# Altium PCB vme64x6U_ctrlc.PcbDoc (part 13 of 16) (continued)
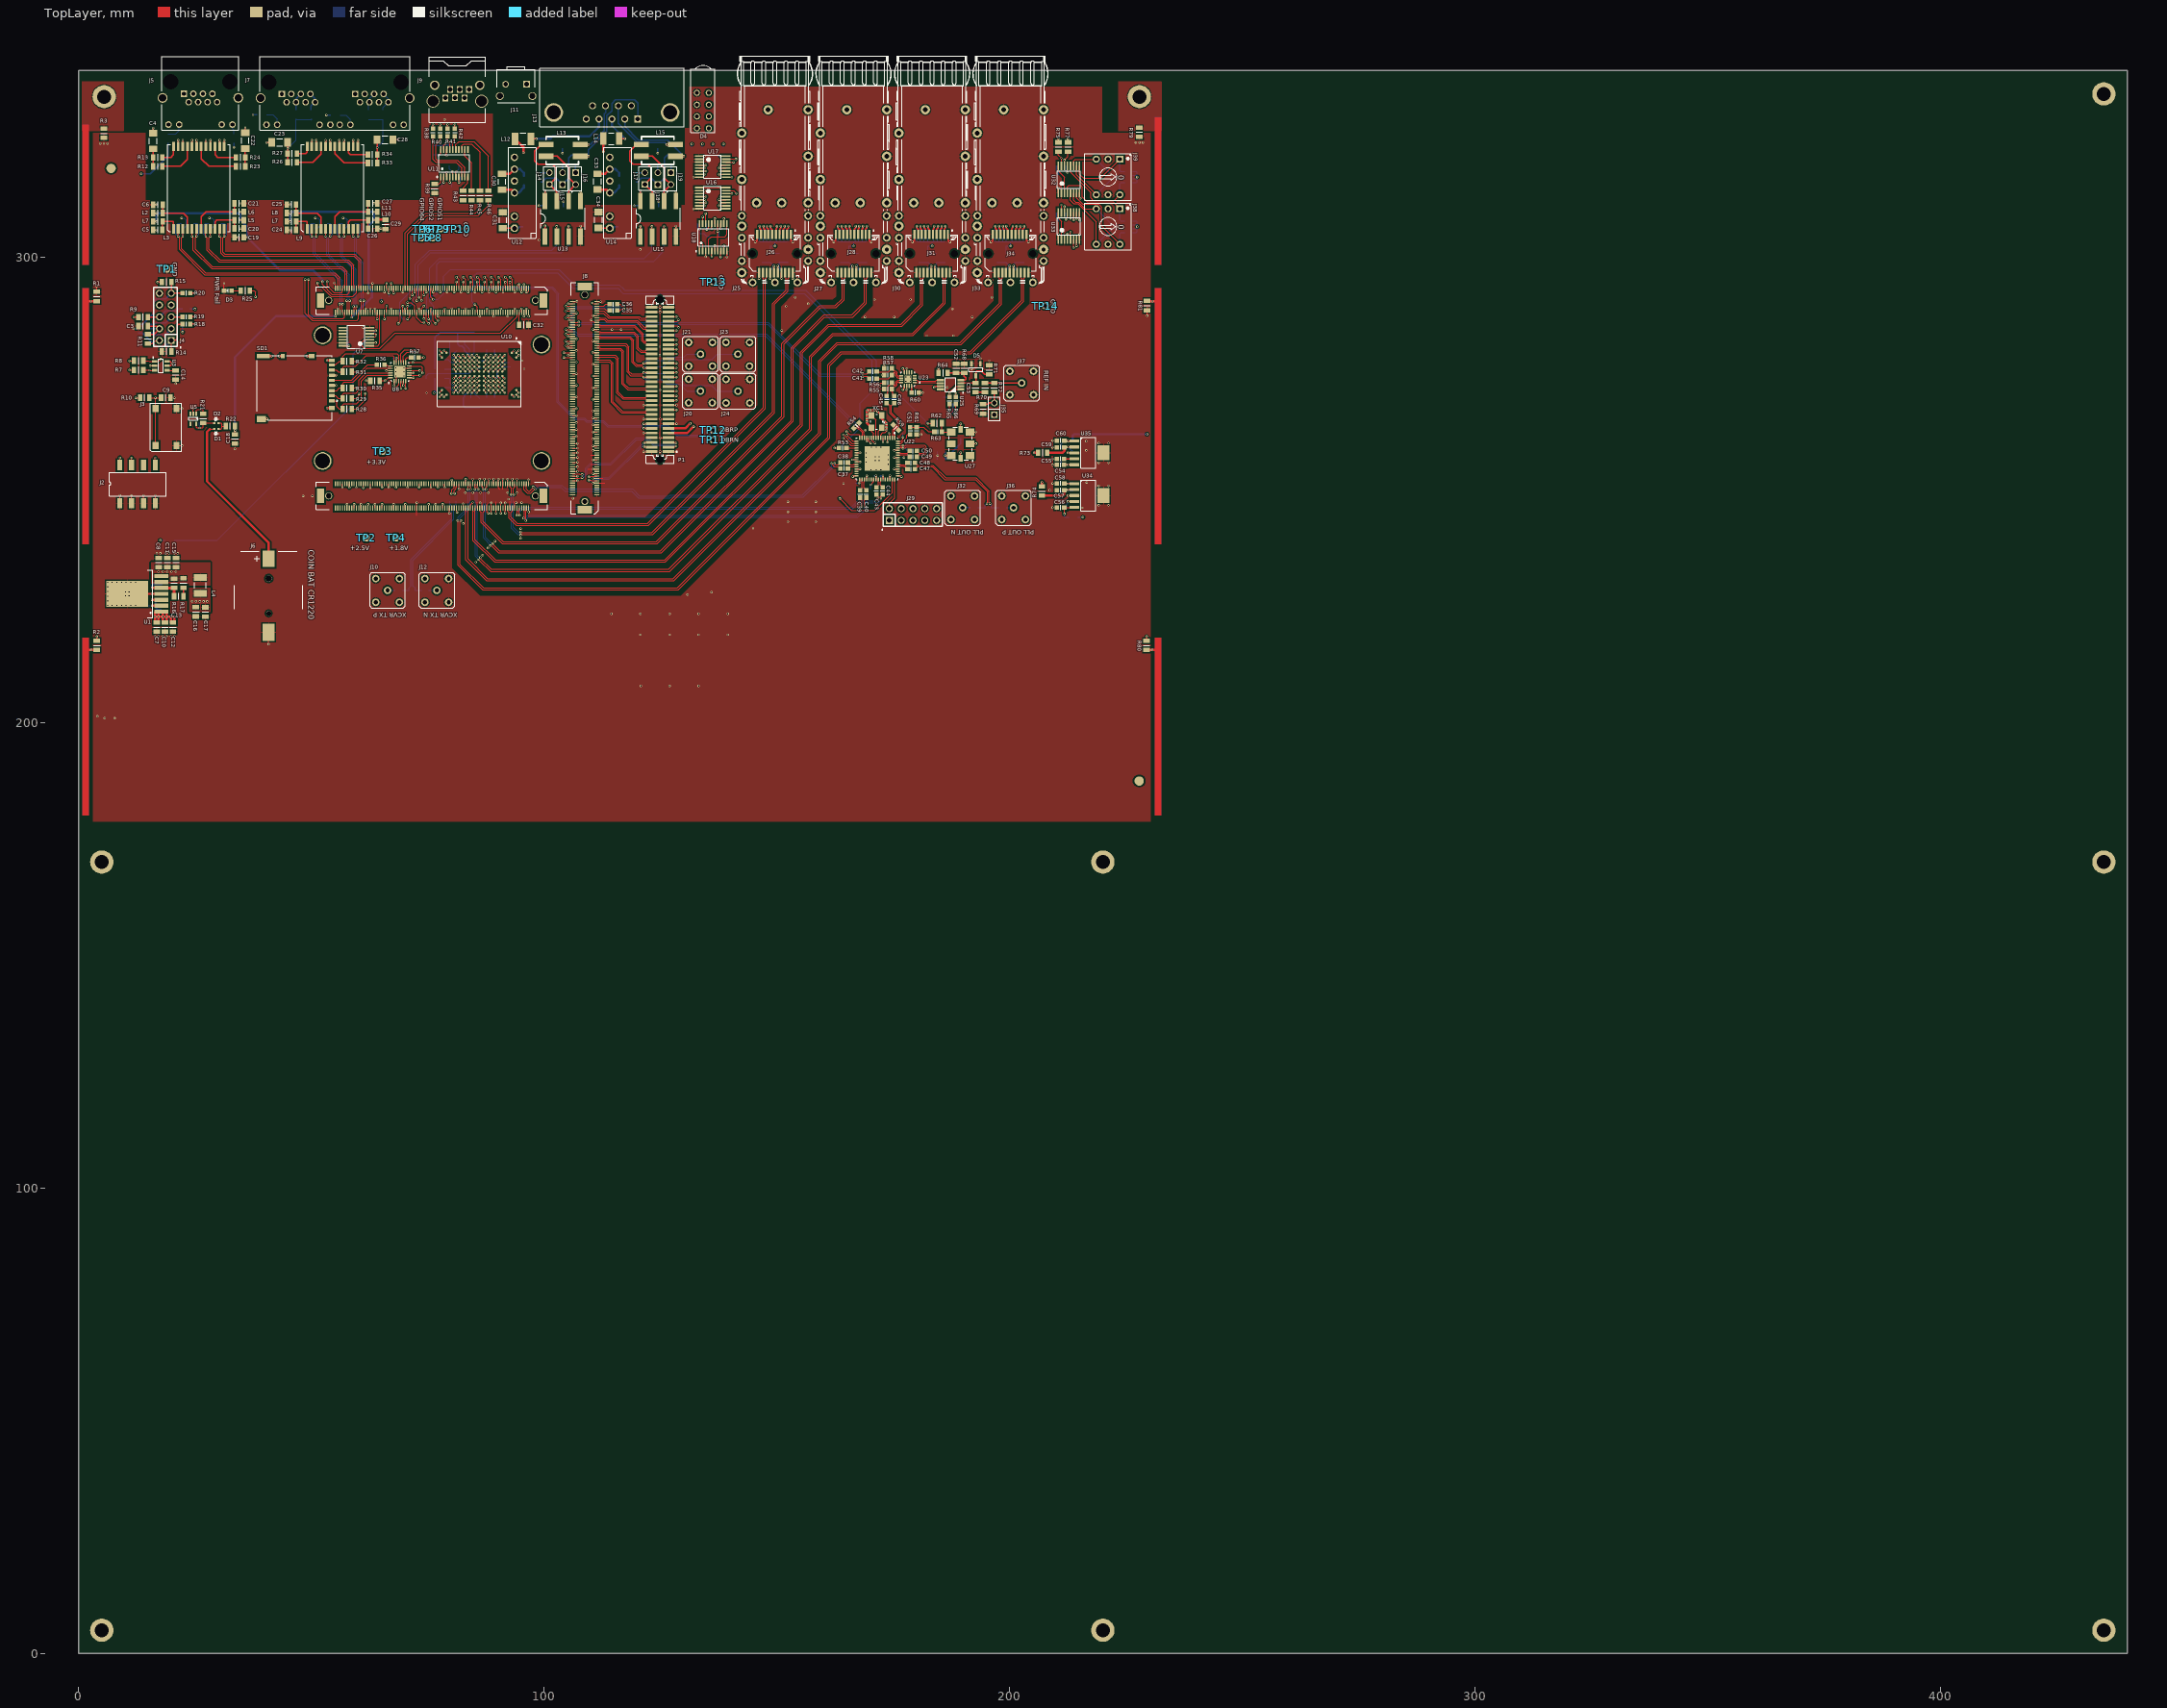
[diagram p0: TopLayer view]
## Nets (pads, with @x,y where several pads share a name; then routed paths per layer and width w, separated by ;. In a path a pad name is that pad's centre, name@x,y a point inside that pad or via, vN(x,y) a via of type N, cw(c..) or ccw(c..) an arc to the next point about the centre after c; other vN are vias at no path point) (continued)
  BottomLayer w0.5: v1(78.785,324.31) 79.01,324.085 C187.2@79.86,324.085
  other v1: 26.85,225.98 27.625,225.98 24.425,226.005 25.225,226.005 26.06,225.99
+3V3Hall: 
+3V3MOD: C199.2 J8.A26 J8.A29 J8.A50 J8.A86 J8.B55 J8.B79 J8.B115 J8.B127 J8.B152 J8.B155 J8.C96 J8.C103 J8.C136 J8.C143 TP3.1 U7.14 | length 13.7
  TopLayer w0.15: J8.B55@83.175,251.25 v1(83.175,252.25) ; J8.C96@106.125,272.4 v1(106.925,272.4) ; J8.C136@106.125,282.4 v1(106.925,282.4) ; v1(110.525,274.4) J8.C103@111.325,274.4 ; v1(110.525,284.4) J8.C143@111.325,284.4
  TopLayer w0.2: v1(58.175,250.45) J8.B155@58.175,251.25 ; J8.B152@59.175,246.05 v1(59.175,246.85) ; v1(65.175,250.45) J8.B127@65.175,251.25 ; v1(68.175,250.45) J8.B115@68.175,251.25 ; J8.A86@75.675,288.05 v1(75.675,288.85) ; v1(77.175,250.45) J8.B79@77.175,251.25 ; J8.A50@84.675,288.05 v1(84.675,288.85) ; v1(89.675,292.45) J8.A29@89.675,293.25 ; J8.A26@90.675,288.05 v1(90.675,288.85)
  TopLayer w0.25: U7.14@56.72,280.89 v1(58.09,280.89)
  BottomLayer w0.25: v1(58.09,280.89) C199.2@58.09,281.8
+5SL: 
+5V_CAN_U_can_phy1: C30.2 C171.2 C173.2 U12.6 U13.8 | length 9.5
  TopLayer w0.3: U13.8@100.175,311.975 100.2,312 v1(100.2,314.175)
  TopLayer w0.5: C30.2@90.95,317.825 92.614,317.825 U12.6@93.624,318.835
  BottomLayer w0.3: C171.2@100.2,313 v1(100.2,314.175)
  BottomLayer w0.5: U12.6@93.624,318.835 94.84,318.835 95.65,318.025 C173.2@95.65,317.4
+5V_CAN_U_can_phy2: C33.2 C166.2 C168.2 U14.6 U15.8 | length 9.5
  TopLayer w0.3: U15.8@120.65,311.975 120.675,312 v1(120.675,314.175)
  TopLayer w0.5: C33.2@111.425,317.825 113.089,317.825 U14.6@114.099,318.835
  BottomLayer w0.3: C166.2@120.675,313 v1(120.675,314.175)
  BottomLayer w0.5: U14.6@114.099,318.835 115.315,318.835 116.125,318.025 C168.2@116.125,317.4
+5VME: C7.1 C10.1 C12.2 C31.2 C34.2 C60.2 C72.2 C169.2 C174.2 C218.2 C220.2 C224.2 J8.A1 J8.A2 J8.A3 J8.A4 J8.A5 J8.A6 J8.A7 J8.A8 J8.A9 J8.A11 R95.2 U1.1 U12.1 U14.1 U35.1 | length 60.5
  TopLayer w0.2: J8.A9@94.675,293.25 v1(94.675,294.05) ; J8.A8@95.175,288.05 v1(95.175,288.85) ; v1(95.175,292.45) J8.A7@95.175,293.25 ; v1(95.675,287.25) J8.A6@95.675,288.05 ; J8.A5@95.675,293.25 v1(95.675,294.05) ; J8.A4@96.175,288.05 v1(96.175,288.85) ; v1(96.175,292.45) J8.A3@96.175,293.25 ; v1(96.675,287.25) J8.A2@96.675,288.05
  TopLayer w0.25: J8.A11@94.175,293.25 94.175,293.775 94.45,294.05 v1(94.675,294.05) ; v1(96.175,292.45) 96.525,292.45 96.675,292.6 J8.A1@96.675,293.25
  TopLayer w0.3: C31.2@91.15,306.175 93.584,306.175 U12.1@93.624,306.135 ; C34.2@111.675,306.2 114.034,306.2 U14.1@114.099,306.135 ; C60.2@211.725,260.525 212.507,260.525 v1(212.507,260.423) U35.1@213.875,260.423
  TopLayer w0.5: C7.1@16.41,221.485 v1(16.41,222.71) 16.41,223.585 U1.1@16.61,223.785 ; C7.1@17.16,221.485 v1(17.16,222.71) U1.1@17.16,223.585 ; C10.1@18.135,221.485 v1(18.135,222.71) U1.1@18.135,223.66 ; C10.1@18.885,221.485 v1(18.885,222.71) U1.1@18.885,223.685 ; C12.2@19.86,221.485 v1(19.86,222.71) ; C12.2@20.61,221.485 v1(20.61,222.71)
  BottomLayer w0.25: R95.2@211.05,258.725 211.05,259.825 211.648,260.423 v1(212.507,260.423)
  BottomLayer w0.3: U12.1@93.624,306.135 94.435,306.135 94.725,306.425 C174.2@95.45,306.425 ; U14.1@114.099,306.135 114.91,306.135 115.2,306.425 C169.2@115.925,306.425 ; v1(212.507,260.423) 212.522,260.408 C72.2@213.525,260.408
  BottomLayer w0.5: v1(16.41,222.71) 16.41,221.885 C224.2@16.81,221.485 17.16,221.835 v1(17.16,222.71) ; v1(18.135,222.71) 18.135,221.885 C220.2@18.535,221.485 18.885,221.835 v1(18.885,222.71) ; v1(19.86,222.71) 19.86,221.885 C218.2@20.26,221.485 20.61,221.835 v1(20.61,222.71) ; C72.2@213.525,260.408 213.525,261.6 213.825,261.9 v1(229.5,261.9)
+5VSTBY: C214.2 U5.4
+7_: 
+7D: 
+7DDS: 
+7H: 
+7i: 
+7int: 
+7SL: 
+7V: 
+12Hall: 
+12SL: 
+12Vin: 
+18H: 
+18Hall: 
+18i: 
+18int: 
+18SL: 
-7_: 
-7D: 
-7DDS: 
-7H: 
-7Hall: 
-7i: 
-7int: 
-7SL: 
-18H: 
-18Hall: 
-18i: 
-18int: 
-18SL: 
\CS: 
\CSdds: 
\En: 
AQ1_N: C42.1 R58.2 U23.9 | length 6.6
  TopLayer w0.15: C42.1@171.425,275.325 173.925,275.325 R58.2@174.65,276.05 174.725,275.975 174.725,275.95 175.2,275.475 175.485,275.475 175.825,275.135 175.825,274.562 176,274.387 176.088,274.387 176.175,274.475 U23.9@176.7,274.475
AQ1_P: C41.1 R57.2 U23.10 | length 6.6
  TopLayer w0.15: C41.1@171.425,273.875 173.925,273.875 R57.2@174.65,274.6 175.2,275.15 175.35,275.15 175.5,275 175.5,274.428 175.865,274.062 176.088,274.062 176.175,273.975 U23.10@176.7,273.975
BaseAddr0: J38.1 R84.4 U32.4 | length 19.5
  TopLayer w0.15: U32.4@212.4,313.705 212.4,315.05 212.65,315.3 215.25,315.3 215.6,314.95 215.6,312.85 216.622,311.828 222.157,311.828 J38.1@223.665,310.32
  BottomLayer w0.25: J38.1@223.665,310.295 223.665,307.91 223.9,307.675 R84.4@224.725,307.675
BaseAddr1: J38.2 R84.2 U32.5 | length 21.4
  TopLayer w0.15: U32.5@213.05,313.705 213.05,312.1 213.775,311.375 214.672,311.375 218.585,307.462 J38.2@218.585,302.7
  BottomLayer w0.25: J38.2@218.585,302.675 221.985,306.075 R84.2@224.725,306.075
BaseAddr2: J38.4 R84.3 U32.6 | length 14.8
  TopLayer w0.15: U32.6@213.7,313.705 213.7,312.125 214.1,311.725 214.775,311.725 216.18,310.32 J38.4@218.585,310.32
  BottomLayer w0.25: J38.4@218.585,310.295 222.005,306.875 R84.3@224.725,306.875
BaseAddr3: J38.8 R84.1 U32.7 | length 20.4
  TopLayer w0.15: U32.7@214.35,313.705 214.35,312.625 215.65,311.325 219.125,311.325 219.725,310.725 219.725,306.64 J38.8@223.665,302.7
  BottomLayer w0.25: J38.8@223.665,302.675 223.665,304.94 224,305.275 R84.1@224.725,305.275
BaseAddr4: J39.1 R85.4 U32.9 | length 16.1
  TopLayer w0.15: U32.9@215,319.545 215,317.775 215.925,316.85 219.545,316.85 J39.1@223.665,320.97
  BottomLayer w0.25: J39.1@223.665,320.97 223.665,318.585 223.9,318.35 R85.4@224.725,318.35
BaseAddr5: J39.2 R85.2 U32.10 | length 15.5
  TopLayer w0.15: U32.10@214.35,319.545 214.35,317.585 J39.2@218.585,313.35
  BottomLayer w0.25: J39.2@218.585,313.35 221.985,316.75 R85.2@224.725,316.75
BaseAddr6: J39.4 R85.3 U32.11 | length 13.6
  TopLayer w0.15: U32.11@213.7,319.545 213.7,320.6 214.07,320.97 J39.4@218.585,320.97
  BottomLayer w0.25: J39.4@218.585,320.97 222.005,317.55 R85.3@224.725,317.55
BaseAddr7: J39.8 R85.1 U32.12 | length 19.1
  TopLayer w0.15: U32.12@213.05,319.545 213.05,318.2 217.4,313.85 217.4,312.625 217.825,312.2 222.515,312.2 J39.8@223.665,313.35
  BottomLayer w0.25: J39.8@223.665,313.35 223.665,315.615 224,315.95 R85.1@224.725,315.95
BOOT_MODE0: J2.7 J8.A126 | length 73.7
  TopLayer w0.15: v1(65.675,286.675) J8.A126@65.675,288.05
  TopLayer w0.25: J2.7@11.41,255.275 v1(11.41,256.845)
  MidLayer3 w0.15: v1(11.41,256.845) 11.41,259.064 32.771,280.425 57.855,280.425 57.885,280.395 64.145,280.395 65.675,281.925 v1(65.675,286.675)
BOOT_MODE1: J2.8 J8.A112 | length 79.3
  TopLayer w0.15: v1(68.675,285.675) 69.175,286.175 J8.A112@69.175,288.05
  TopLayer w0.25: J2.8@8.87,255.275 v1(8.87,256.845)
  MidLayer3 w0.15: v1(8.87,256.845) 9.715,256 12.125,256 12.825,256.7 12.825,259.807 32.968,279.95 64.45,279.95 66.45,281.95 66.45,283.45 v1(68.675,285.675)
BUSY: 
BUSY_i2Host: 
BUSYi: 
C_REF_N: 
C_REF_P: 
C_TEST_N: 
C_TEST_P: 
CAN0_G: J13.3 L14.1 | length 6.3
  TopLayer w0.3: L14.1@116.125,325.4 v1(117.325,325.4)
  BottomLayer w0.5: J13.3@114.565,329.32 114.565,328.16 v1(117.325,325.4)
CAN0_H: J13.7 L15.1 | length 17.6
  TopLayer w0.5: v1(126.375,324.125) L15.1@128.175,324.125
  BottomLayer w0.3: J13.7@115.95,332.16 115.95,328.693 120.068,324.575 125.925,324.575 v1(126.375,324.125)
CAN0_L: J13.2 L15.4 | length 18.4
  TopLayer w0.5: L15.4@128.2,321.625 v1(130,321.625)
  BottomLayer w0.3: J13.2@117.335,329.32 117.335,328.015 120.275,325.075 126.55,325.075 v1(130,321.625)
CAN0_RX: J8.A88 R153.2 | length 64.2
  TopLayer w0.15: v1(75.175,286.675) J8.A88@75.175,288.05
  BottomLayer w0.25: v1(75.175,286.675) 75.175,287.975 74.85,288.3 74.85,291.625 75.45,292.225 75.45,297.612 77.513,299.675 121.525,299.675 123.175,301.325 R153.2@123.175,303.55
CAN0_TX: J8.A90 R148.2 | length 69.5
  TopLayer w0.15: J8.A90@74.675,288.05 74.675,286.175 v1(75.175,285.675)
  BottomLayer w0.25: v1(75.175,285.675) 75.775,286.275 75.775,287.975 76.3,288.5 76.3,289.425 75.375,290.35 75.375,291.175 75.925,291.725 76.6,291.725 76.925,292.05 76.925,298.375 77.625,299.075 123.525,299.075 125.775,301.325 R148.2@125.775,303.6
CAN1_G: J13.4 L12.1 | length 17.1
  TopLayer w0.3: L12.1@97.175,325.35 v1(98.325,325.35)
  BottomLayer w0.5: v1(98.325,325.35) 101.275,325.35 101.825,325.9 109.775,325.9 111.795,327.92 J13.4@111.795,329.32
CAN1_H: J13.8 L13.1 | length 11.8
  TopLayer w0.5: L13.1@107.725,324.125 v1(109.525,324.125)
  BottomLayer w0.3: v1(109.525,324.125) 109.9,324.125 112.95,327.175 112.95,330.725 113.18,330.955 J13.8@113.18,332.44
CAN1_L: J13.1 L13.4 | length 25.1
  TopLayer w0.5: L13.4@107.725,321.625 v1(109.525,321.625)
  BottomLayer w0.3: v1(109.525,321.625) 109.525,323.043 113.45,326.968 113.45,330.325 114.525,331.4 114.525,332.925 115.325,333.725 119.375,333.725 120.105,332.995 J13.1@120.105,329.6 J13.1@120.105,329.32
CAN1_RX: J8.A104 R157.2 | length 49.1
  TopLayer w0.15: v1(70.675,286.675) 71.175,287.175 J8.A104@71.175,288.05
  BottomLayer w0.25: v1(70.675,286.675) 69.65,286.675 69,287.325 69,290.275 72.325,293.6 72.325,298.367 75.383,301.425 101.675,301.425 102.7,302.45 R157.2@102.7,303.55
CAN1_TX: J8.A106 R156.2 | length 46.7
  TopLayer w0.15: J8.A106@70.675,288.05 v1(70.675,289.4)
  BottomLayer w0.25: v1(70.675,289.4) 71.2,289.4 71.775,289.975 71.775,290.825 72.9,291.95 72.9,298.2 75.6,300.9 103.7,300.9 105.3,302.5 R156.2@105.3,303.6
CAN_GND_U_can_phy1: C30.1 C170.1 C171.1 C173.1 L12.2 U12.4 U13.5 U39.3 | length 15.2
  TopLayer w0.3: U13.5@107.825,311.95 U13.5@107.825,311.975 v1@107.825,313.975
  TopLayer w0.5: C30.1@90.95,314.425 92.954,314.425 U12.4@93.624,313.755 ; L12.2@93.775,325.35 95.55,323.575 v1(95.55,322.375)
  BottomLayer w0.3: v1(98.9,311) C171.1@100.2,311 ; v1(103.95,322.25) C170.1@103.95,323.325 ; U39.3@104.15,310.725 v1(104.15,311.85)
  BottomLayer w0.5: U12.4@93.624,313.755 94.555,313.755 95.65,314.85 C173.1@95.65,315.4
  other v1: 107.825,314.025
CAN_GND_U_can_phy2: C33.1 C165.1 C166.1 C168.1 L14.2 U14.4 U15.5 U38.3 | length 14.3
  TopLayer w0.3: U15.5@128.3,311.95 U15.5@128.3,311.975 v1@128.3,313.975
  TopLayer w0.5: C33.1@111.425,314.425 113.429,314.425 U14.4@114.099,313.755 ; v1(112.725,322.6) L14.2@112.725,325.4
  BottomLayer w0.3: v1(119.375,311) C166.1@120.675,311 ; v1(124.425,322.25) C165.1@124.425,323.325 ; U38.3@124.625,310.725 v1(124.625,311.85)
  BottomLayer w0.5: U14.4@114.099,313.755 115.03,313.755 116.125,314.85 C168.1@116.125,315.4
  other v1: 128.3,314.025
ChasisGND: R2.2 | length 3.4
  TopLayer w0.5: 1.8,215.55 v1(2.725,215.55) R2.2@3.925,215.55
  BottomLayer w0.5: 1.475,215.55 v1(2.725,215.55)
ChasisGND_T: R80.2 | length 3.4
  TopLayer w0.5: R80.2@229.425,215.55 231.55,215.55
  BottomLayer w0.5: v1(230.6,215.55) 231.85,215.55
CLK_MODE: 
CLK_MODE_dds: 
Clock_dDCP+: 
Clock_dDCP-: 
Clock_hDCP-: 
Clock_iDCP+: 
Clock_iDCP-: 
Clock_sDCP+: 
Clock_sDCP-: 
CMP_CLK_N: U23.2 U25.5 | length 5.6
  TopLayer w0.15: U23.2@179.6,273.475 180.125,273.475 180.238,273.362 184.113,273.362 184.275,273.525 U25.5@185.1,273.525
CMP_CLK_P: U23.1 U25.6 | length 5.6
  TopLayer w0.15: U23.1@179.6,272.975 180.125,272.975 180.188,273.037 184.113,273.037 184.275,272.875 U25.6@185.1,272.875
CMP_REF: C52.1 R64.1 R68.2 U25.4 | length 6.2
  TopLayer w0.3: R64.1@186.7,275.05 C52.1@188.5,275.05 R68.2@190.225,275.05 190.225,274.375 190.6,274 190.6,273.7 190.425,273.525 U25.4@189.5,273.525
CMP_SIG: C53.1 D5.3 R71.1 U25.3 | length 8.8
  TopLayer w0.3: U25.3@189.5,272.875 192.65,272.875 C53.1@192.675,272.9 192.75,272.975 D5.3@192.75,274.475 192.75,275.225 193,275.475 193.9,275.475 194.65,274.725 R71.1@195.6,274.725
CNV: 
CNV_Host2i: 
CNVi: 
COM_CTS_DEV_O: R38.1 U11.8 | length 13.9
  TopLayer w0.25: R38.1@76.11,325.903 76.11,320.91 76.76,320.26 81.135,320.26 82.335,319.06 U11.8@82.335,317.16
COM_RTS_DEV_I: R40.1 U11.9 | length 14.3
  TopLayer w0.25: R40.1@77.685,325.903 77.685,325.06 76.73,324.105 76.73,320.993 76.993,320.73 81.393,320.73 82.985,319.138 U11.9@82.985,317.16
COM_RX_DEV_O: R41.1 U11.17 | length 3
  TopLayer w0.25: R41.1@79.26,325.903 79.26,325.11 79.735,324.635 U11.17@79.735,323.06
COM_TX_DEV_I: R42.1 U11.16 | length 3
  TopLayer w0.25: U11.16@80.385,323.06 80.385,324.61 80.835,325.06 R42.1@80.835,325.903
DCP_Clk: 
DDS_CLK_N: 
DDS_CLK_P: 
EMMC_CLK: R37.2 U10.P6 | length 14.4
  TopLayer w0.15: R37.2@73.05,278.375 v1(74.1,278.375) ; v1(80.55,273.875) U10.P6@81.05,274.375
  MidLayer3 w0.15: v1(74.1,278.375) 72.725,277 72.725,274.25 72.995,273.98 76.395,273.98 76.5,273.875 v1(80.55,273.875)
EMMC_CMD: R171.2 U8.12 U10.P5 | length 13.8
  TopLayer w0.15: U8.12@71.025,276.55 73.525,276.55 73.9,276.175 v1(73.9,275.05) ; v1(80.55,275.875) U10.P5@81.05,275.375
  MidLayer3 w0.15: v1(73.9,275.05) 76.575,275.05 77.4,275.875 v1(80.55,275.875)
  BottomLayer w0.15: R171.2@78.6,275.925 80.5,275.925 v1(80.55,275.875)
EMMC_D0: R164.2 U8.14 U10.K2 | length 21.1
  TopLayer w0.15: U8.14@69.775,277.3 69.775,278.725 70.525,279.475 v1(71.675,279.475) ; v1(84.55,278.875) U10.K2@85.05,278.375
  MidLayer3 w0.15: v1(71.675,279.475) 72.325,280.125 73.925,280.125 74.675,279.375 84.05,279.375 v1(84.55,278.875)
  BottomLayer w0.15: v1(84.55,278.875) 85.05,279.375 R164.2@85.05,281.775
EMMC_D1: R167.2 U8.15 U10.N2 | length 21.3
  TopLayer w0.15: U8.15@69.275,277.3 69.275,279.225 70.05,280 72.025,280 v1(72.5,279.525) ; v1(81.55,278.875) U10.N2@82.05,278.375
  MidLayer3 w0.15: v1(72.5,279.525) 72.9,279.125 74.275,279.125 75.025,278.375 81.05,278.375 v1(81.55,278.875)
  BottomLayer w0.15: R167.2@79.75,281.775 79.75,278.7 80.075,278.375 81.05,278.375 v1(81.55,278.875)
EMMC_D2: R166.2 U8.8 U10.K3 | length 21.2
  TopLayer w0.15: U8.8@71.025,274.55 v1(73.275,274.55) ; v1(84.55,277.875) U10.K3@85.05,277.375
  MidLayer3 w0.15: v1(73.275,274.55) 76.625,274.55 77.45,275.375 83.875,275.375 84.062,275.562 84.062,275.662 84.055,275.67 84.055,277.38 v1(84.55,277.875)
  BottomLayer w0.15: R166.2@83,281.775 83,281.175 84.045,280.13 84.045,278.38 v1(84.55,277.875)
EMMC_D3: R172.2 U8.10 U10.N3 | length 15.6
  TopLayer w0.15: U8.10@71.025,275.55 v1(73.275,275.55) ; v1(81.55,277.875) U10.N3@82.05,277.375
  MidLayer3 w0.15: v1(73.275,275.55) 76.55,275.55 78.375,277.375 81.05,277.375 v1(81.55,277.875)
  BottomLayer w0.15: R172.2@78.6,277.925 79.4,277.925 79.945,277.38 81.055,277.38 v1(81.55,277.875)
EMMC_D4: R163.2 U10.K8 | length 3.6
  TopLayer w0.15: v1(84.55,271.875) U10.K8@85.05,272.375
  BottomLayer w0.15: v1(84.55,271.875) 85.05,271.375 85.05,270.675 86.05,269.675 R163.2@86.125,269.675
EMMC_D5: R170.2 U10.N8 | length 5
  TopLayer w0.15: v1(81.55,271.875) U10.N8@82.05,272.375
  BottomLayer w0.15: R170.2@78.6,273.925 79.6,273.925 79.9,273.625 79.9,272.825 80.345,272.38 81.045,272.38 v1(81.55,271.875)
EMMC_D6: R169.2 U10.N9 | length 4.1
  TopLayer w0.15: v1(81.55,270.875) U10.N9@82.05,271.375
  BottomLayer w0.15: R169.2@78.6,271.925 79.775,271.925 80.325,271.375 81.05,271.375 v1(81.55,270.875)
EMMC_D7: R165.2 U10.K9 | length 2
  TopLayer w0.15: v1(84.55,270.875) U10.K9@85.05,271.375
  BottomLayer w0.15: R165.2@84.325,269.675 84.325,270.65 v1(84.55,270.875)
EMMC_DS: R175.2 U10.K5 | length 11.9
  TopLayer w0.15: v1(84.55,275.875) U10.K5@85.05,275.375
  BottomLayer w0.15: R175.2@74.75,273.875 74.75,274.475 75.225,274.95 83.925,274.95 84.55,275.575 v1(84.55,275.875)
EMMC_RFU1: U10.A1 | length 0.7
  TopLayer w0.15: U10.A1@94.05,279.375 v1(94.55,279.875)
EMMC_RFU2: U10.A2 | length 0.7
  TopLayer w0.15: U10.A2@94.05,278.375 v1(94.55,278.875)
EMMC_RFU3: U10.A9 | length 0.7
  TopLayer w0.15: U10.A9@94.05,271.375 v1(94.55,270.875)
EMMC_RFU4: U10.A10 | length 0.7
  TopLayer w0.15: U10.A10@94.05,270.375 v1(94.55,269.875)
EMMC_RFU5: U10.B1 | length 0.7
  TopLayer w0.15: U10.B1@93.05,279.375 v1(93.55,279.875)
EMMC_RFU6: U10.B10 | length 0.7
  TopLayer w0.15: U10.B10@93.05,270.375 v1(93.55,269.875)
EMMC_RFU7: U10.T1 | length 0.7
  TopLayer w0.15: v1(78.55,279.875) U10.T1@79.05,279.375
EMMC_RFU8: U10.T10 | length 0.7
  TopLayer w0.15: v1(78.55,269.875) U10.T10@79.05,270.375
EMMC_RFU9: U10.U1 | length 0.7
  TopLayer w0.15: v1(77.55,279.875) U10.U1@78.05,279.375
EMMC_RFU10: U10.U2 | length 0.7
  TopLayer w0.15: v1(77.55,278.875) U10.U2@78.05,278.375
EMMC_RFU11: U10.U9 | length 0.7
  TopLayer w0.15: v1(77.55,270.875) U10.U9@78.05,271.375
EMMC_RFU12: U10.U10 | length 0.7
  TopLayer w0.15: v1(77.55,269.875) U10.U10@78.05,270.375
EMMC_RFU13: U10.D2 | length 0.7
  TopLayer w0.15: U10.D2@91.05,278.375 v1(91.55,278.875)
EMMC_RFU14: U10.D3 | length 0.7
  TopLayer w0.15: U10.D3@91.05,277.375 v1(91.55,277.875)
EMMC_RFU15: U10.D4 | length 0.7
  TopLayer w0.15: U10.D4@91.05,276.375 v1(91.55,276.875)
EMMC_RFU16: U10.D5 | length 0.7
  TopLayer w0.15: U10.D5@91.05,275.375 v1(91.55,275.875)
EMMC_RFU17: U10.D6 | length 0.7
  TopLayer w0.15: U10.D6@91.05,274.375 v1(91.55,273.875)
EMMC_RFU18: U10.D7 | length 0.7
  TopLayer w0.15: U10.D7@91.05,273.375 v1(91.55,272.875)
EMMC_RFU19: U10.D8 | length 0.7
  TopLayer w0.15: U10.D8@91.05,272.375 v1(91.55,271.875)
EMMC_RFU20: U10.D9 | length 0.7
  TopLayer w0.15: U10.D9@91.05,271.375 v1(91.55,270.875)
EMMC_RFU21: U10.E2 | length 0.7
  TopLayer w0.15: U10.E2@90.05,278.375 v1(90.55,278.875)
EMMC_RFU22: U10.E3 | length 0.7
  TopLayer w0.15: U10.E3@90.05,277.375 v1(90.55,277.875)
EMMC_RFU23: U10.E5 | length 0.7
  TopLayer w0.15: U10.E5@90.05,275.375 v1(90.55,275.875)
EMMC_RFU24: U10.E6 | length 0.7
  TopLayer w0.15: U10.E6@90.05,274.375 v1(90.55,273.875)
EMMC_RFU25: U10.E7 | length 0.7
  TopLayer w0.15: U10.E7@90.05,273.375 v1(90.55,272.875)
EMMC_RFU26: U10.E8 | length 0.7
  TopLayer w0.15: U10.E8@90.05,272.375 v1(90.55,271.875)
EMMC_RFU27: U10.E9 | length 0.7
  TopLayer w0.15: U10.E9@90.05,271.375 v1(90.55,270.875)
EMMC_RFU28: U10.H5 | length 0.7
  TopLayer w0.15: U10.H5@87.05,275.375 v1(87.55,275.875)
EMMC_RFU29: U10.H6 | length 0.7
  TopLayer w0.15: U10.H6@87.05,274.375 v1(87.55,273.875)
EMMC_RFU30: U10.H7 | length 0.7
  TopLayer w0.15: U10.H7@87.05,273.375 v1(87.55,272.875)
EMMC_RFU31: U10.J2 | length 0.7
  TopLayer w0.15: v1(85.55,278.875) U10.J2@86.05,278.375
EMMC_RFU32: U10.J3 | length 0.7
  TopLayer w0.15: v1(85.55,277.875) U10.J3@86.05,277.375
EMMC_RFU33: U10.J4 | length 0.7
  TopLayer w0.15: v1(85.55,276.875) U10.J4@86.05,276.375
EMMC_RFU34: U10.J6 | length 0.7
  TopLayer w0.15: v1(85.55,273.875) U10.J6@86.05,274.375
EMMC_RFU35: U10.J7 | length 0.7
  TopLayer w0.15: v1(85.55,272.875) U10.J7@86.05,273.375
EMMC_RFU36: U10.J8 | length 0.7
  TopLayer w0.15: v1(85.55,271.875) U10.J8@86.05,272.375
EMMC_RFU37: U10.J9 | length 0.7
  TopLayer w0.15: v1(85.55,270.875) U10.J9@86.05,271.375
EMMC_RFU38: U10.K4 | length 0.7
  TopLayer w0.15: v1(84.55,276.875) U10.K4@85.05,276.375
EMMC_RFU39: U10.K6 | length 0.7
  TopLayer w0.15: v1(84.55,273.875) U10.K6@85.05,274.375
EMMC_RFU40: U10.K7 | length 0.7
  TopLayer w0.15: v1(84.55,272.875) U10.K7@85.05,273.375
EMMC_RFU41: U10.L5 | length 0.7
  TopLayer w0.15: v1(83.55,275.875) U10.L5@84.05,275.375
EMMC_RFU42: U10.L6 | length 0.7
  TopLayer w0.15: v1(83.55,273.875) U10.L6@84.05,274.375
EMMC_RFU43: U10.M2 | length 0.7
  TopLayer w0.15: v1(82.55,278.875) U10.M2@83.05,278.375
EMMC_RFU44: U10.M3 | length 0.7
  TopLayer w0.15: v1(82.55,277.875) U10.M3@83.05,277.375
EMMC_RFU45: U10.M6 | length 0.7
  TopLayer w0.15: v1(82.55,273.875) U10.M6@83.05,274.375
EMMC_RFU46: U10.M8 | length 0.7
  TopLayer w0.15: v1(82.55,271.875) U10.M8@83.05,272.375
EMMC_RFU47: U10.M9 | length 0.7
  TopLayer w0.15: v1(82.55,270.875) U10.M9@83.05,271.375
EMMC_RFU48: U10.N4 | length 0.7
  TopLayer w0.15: v1(81.55,276.875) U10.N4@82.05,276.375
EMMC_RFU49: U10.N5 | length 0.7
  TopLayer w0.15: v1(81.55,275.875) U10.N5@82.05,275.375
EMMC_RFU50: U10.N6 | length 0.7
  TopLayer w0.15: v1(81.55,273.875) U10.N6@82.05,274.375
EMMC_RFU51: U10.N7 | length 0.7
  TopLayer w0.15: v1(81.55,272.875) U10.N7@82.05,273.375
EMMC_RFU52: U10.P4 | length 0.7
  TopLayer w0.15: v1(80.55,276.875) U10.P4@81.05,276.375
EMMC_RFU53: U10.P7 | length 0.7
  TopLayer w0.15: v1(80.55,272.875) U10.P7@81.05,273.375
EMMC_RFU54: U10.H4 | length 0.7
  TopLayer w0.15: U10.H4@87.05,276.375 v1(87.55,276.875)
EN_3V3: R192.2 U7.6 | length 69.6
  TopLayer w0.15: U7.6@62.56,284.14 v1(63.84,284.14)
  BottomLayer w0.25: R192.2@20.6,239.125 29.775,239.125 58.95,268.3 58.95,279.25 v1(63.84,284.14)
EnAmp: 
ETH0_A_N: J8.A163 L3.3 U43.1 | length 44.3
  TopLayer w0.25: L3.3@22.39,306 v1(22.39,304.425) 22.108,304.143 22.108,301.744 27.301,296.55 55.101,296.55 56.138,295.514 56.138,293.962 56.175,293.925 J8.A163@56.175,293.25
  BottomLayer w0.25: U43.1@22.08,305.335 22.39,305.025 v1(22.39,304.425)
ETH0_A_P: J8.A165 L3.2 U43.3 | length 47.2
  TopLayer w0.25: L3.2@21.4,306 v1(21.4,304.425) 21.683,304.143 21.683,301.567 27.125,296.125 54.925,296.125 55.713,295.338 55.713,293.962 55.675,293.925 J8.A165@55.675,293.25
  BottomLayer w0.25: v1(21.4,304.425) 20.915,304.91 20.915,306.785 21.365,307.235 U43.3@22.08,307.235
ETH0_B_N: J8.A157 L3.6 U43.4 | length 46.6
  TopLayer w0.25: L3.6@25.36,306 v1(25.36,304.425) 25.078,304.143 25.078,301.624 28.776,297.925 56.601,297.925 57.638,296.889 57.638,293.962 57.675,293.925 J8.A157@57.675,293.25
  BottomLayer w0.25: U43.4@24.68,307.235 25.395,307.235 25.845,306.785 25.845,304.91 v1(25.36,304.425)
ETH0_B_P: J8.A159 L3.5 U43.6 | length 43.7
  TopLayer w0.25: L3.5@24.37,306 v1(24.37,304.425) 24.653,304.143 24.653,301.447 28.6,297.5 56.425,297.5 57.213,296.713 57.213,293.962 57.175,293.925 J8.A159@57.175,293.25
  BottomLayer w0.25: v1(24.37,304.425) 24.37,305.085 24.62,305.335 U43.6@24.68,305.335
ETH0_C_N: J8.A151 L3.9 U42.1 | length 43
  TopLayer w0.25: L3.9@28.33,306 v1(28.33,304.425) 28.048,304.143 28.048,301.627 30.35,299.325 57.976,299.325 59.138,298.164 59.138,293.962 59.175,293.925 J8.A151@59.175,293.25
  BottomLayer w0.25: U42.1@28.02,305.335 28.33,305.025 v1(28.33,304.425)
ETH0_C_P: J8.A153 L3.8 U42.3 | length 45.9
  TopLayer w0.25: L3.8@27.34,306 v1(27.34,304.425) 27.623,304.143 27.623,301.451 30.174,298.9 57.8,298.9 58.713,297.988 58.713,293.962 58.675,293.925 J8.A153@58.675,293.25
  BottomLayer w0.25: v1(27.34,304.425) 26.855,304.91 26.855,306.785 27.305,307.235 U42.3@28.02,307.235
ETH0_CTREF: C19.2 J8.A155 L2.2 L5.2 L6.2 L7.2@16.06,307.585 | length 58.2
  TopLayer w0.25: L7.2@16.06,307.585 v1(16.785,307.585) ; L2.2@16.06,309.385 v1(16.785,309.385) ; v1(34.785,307.885) L5.2@35.51,307.885 ; v1(34.785,309.685) L6.2@35.51,309.685 ; C19.2@35.51,304.185 v1(36.235,304.185) ; v1(52.425,294.675) 52.425,294.027 54.502,291.95 57.725,291.95 58.175,292.4 J8.A155@58.175,293.25
  BottomLayer w0.5: v1(16.785,307.585) v1(16.785,309.385) 34.785,309.385 ; v1(34.785,309.685) 34.785,309.385 ; v1(52.425,294.675) 52.425,295.075 50.45,297.05 43.37,297.05 v1(36.235,304.185) 36.235,306.435 v1(34.785,307.885) 34.785,309.385
ETH0_D_N: J8.A145 L3.12 U42.4 | length 45.5
  TopLayer w0.25: L3.12@31.3,306 v1(31.3,304.425) 31.018,304.143 31.018,300.957 31.375,300.6 59.35,300.6 60.638,299.313 60.638,293.962 60.675,293.925 J8.A145@60.675,293.25
  BottomLayer w0.25: U42.4@30.62,307.235 31.335,307.235 31.785,306.785 31.785,304.91 v1(31.3,304.425)
ETH0_D_P: J8.A147 L3.11 U42.6 | length 42.6
  TopLayer w0.25: L3.11@30.31,306 v1(30.31,304.425) 30.593,304.143 30.593,300.781 31.199,300.175 59.174,300.175 60.213,299.136 60.213,293.962 60.175,293.925 J8.A147@60.175,293.25
  BottomLayer w0.25: v1(30.31,304.425) 30.31,305.085 30.56,305.335 U42.6@30.62,305.335
ETH0_J1_N: J5.2 L3.22 | length 10.3
  TopLayer w0.3: L3.22@22.39,323.7 v1(22.39,325.065)
  MidLayer3 w0.25: v1(22.39,325.065) 22.147,325.308 22.147,325.9 23.4,327.153 23.4,332.995 J5.2@23.65,333.245
ETH0_J1_P: J5.1 L3.23 | length 12.3
  TopLayer w0.3: L3.23@21.4,323.7 v1(21.4,325.065)
  MidLayer3 w0.25: v1(21.4,325.065) 21.643,325.308 21.643,326.109 22.896,327.362 22.896,332.592 22.655,332.833 22.655,333.657 22.896,333.898 22.896,334.759 J5.1@22.63,335.025
ETH0_J2_N: J5.6 L3.19 | length 11.4
  TopLayer w0.3: L3.19@25.36,323.7 v1(25.36,325.065)
  MidLayer4 w0.25: v1(25.36,325.065) 25.117,325.308 25.117,331.85 25.417,332.15 26.635,332.15 J5.6@27.73,333.245
ETH0_J2_P: J5.3 L3.20 | length 11.4
  TopLayer w0.3: L3.20@24.37,323.7 v1(24.37,325.065)
  MidLayer4 w0.25: v1(24.37,325.065) 24.613,325.308 24.613,332.359 24.67,332.416 J5.3@24.67,335.025
ETH0_J3_N: J5.5 L3.16 | length 12
  TopLayer w0.3: L3.16@28.33,323.7 v1(28.33,325.065)
  MidLayer3 w0.25: J5.5@26.71,335.025 26.71,328.061 28.087,326.684 28.087,325.308 v1(28.33,325.065)
ETH0_J3_P: J5.4 L3.17 | length 10.4
  TopLayer w0.3: L3.17@27.34,323.7 v1(27.34,325.065)
  MidLayer3 w0.25: J5.4@25.69,333.245 25.69,332.335 26.206,331.819 26.206,327.852 27.583,326.475 27.583,325.308 v1(27.34,325.065)
ETH0_J4_N: J5.8 L3.13 | length 10.6
  TopLayer w0.3: L3.13@31.3,323.7 v1(31.3,325.065)
  MidLayer3 w0.25: J5.8@29.77,333.245 29.229,332.704 29.229,327.912 31.057,326.084 31.057,325.308 v1(31.3,325.065)
ETH0_J4_P: J5.7 L3.14 | length 12.2
  TopLayer w0.3: L3.14@30.31,323.7 v1(30.31,325.065)
  MidLayer3 w0.25: J5.7@28.75,335.025 28.725,335 28.725,327.703 30.553,325.875 30.553,325.308 v1(30.31,325.065)
ETH0_LED1: J5.9 J8.A149 | length 72.2
  TopLayer w0.15: v1@51.4,294.3 51.4,293.875 51.675,293.6 52.225,293.6 54.3,291.525 58.9,291.525 59.675,292.3 J8.A149@59.675,293.25
  MidLayer3 w0.15: J5.9@19.33,328.415 19.33,325.045 20.1,324.275 38.05,324.275 38.35,323.975 38.35,301.881 46.056,294.175 50.035,294.175 50.26,294.4 v1(51.4,294.4)
ETH0_LED2: J5.11 J8.A161 | length 58.5
  TopLayer w0.15: v1(53.425,294.675) 53.425,293.725 54.825,292.325 56.55,292.325 56.675,292.45 J8.A161@56.675,293.25
  MidLayer3 w0.15: J5.11@30.76,328.415 31.945,329.6 36.075,329.6 38.675,327 38.675,302.015 46.19,294.5 49.9,294.5 50.675,295.275 52.825,295.275 v1(53.425,294.675)
ETH1_CTREF: C29.2 J8.A154 L7.2@44.755,307.585 L8.2 L10.2 L11.2 | length 50.8
  TopLayer w0.25: L7.2@44.755,307.585 v1(45.48,307.585) ; L8.2@44.755,309.385 v1(45.48,309.385) ; v1(58.675,287) J8.A154@58.675,288.05 ; v1(63.48,307.885) L10.2@64.205,307.885 ; v1(63.48,309.685) L11.2@64.205,309.685
  TopLayer w0.5: L10.2@64.205,307.885 64.295,307.975 C29.2@65.8,307.975
  BottomLayer w0.5: v1(45.48,307.585) v1(45.48,309.385) 45.78,309.685 v1(63.48,309.685) v1(63.48,307.885) 63.48,307.855 62.275,306.65 62.275,293.45 63,292.725 63,291.325 v1(58.675,287)
ETH1_LED1: J7.9B J8.A160 | length 56.6
  TopLayer w0.15: v1(49.425,295.125) 49.425,287.61 50.335,286.7 56.875,286.7 57.175,287 J8.A160@57.175,288.05
  MidLayer3 w0.15: J7.9B@40.365,328.375 39.325,327.335 39.325,302.285 45.835,295.775 49.1,295.775 49.4,295.475 49.4,295.15 v1(49.425,295.125)
ETH1_LED2: J7.9A J8.A148 | length 83
  TopLayer w0.15: v1(48.675,295.125) 48.675,287.9 50.2,286.375 59.85,286.375 60.175,286.7 J8.A148@60.175,288.05
  MidLayer3 w0.15: v1(48.675,295.125) 48.35,295.45 45.7,295.45 39,302.15 39,328.9 39.725,329.625 44.05,329.625 49.5,324.175 54.35,324.175 55.075,324.9 55.075,327.335 J7.9A@56.115,328.375